# Altium PCB ApolloEcho_Dev_Kit.PcbDoc (part 2 of 2)
Units mm, origin at the board's own origin, x right, y up, seen from the top; angles counter-clockwise.
Board outline 50 x 99.25 mm, 4 copper layers (Top Copper, Plane Layer 1 (Ground), Plane Layer 2 (PWR), Bottom Copper), stack 1.57 mm thick; 69 components, 60 nets, 306 pads, 858 vias.
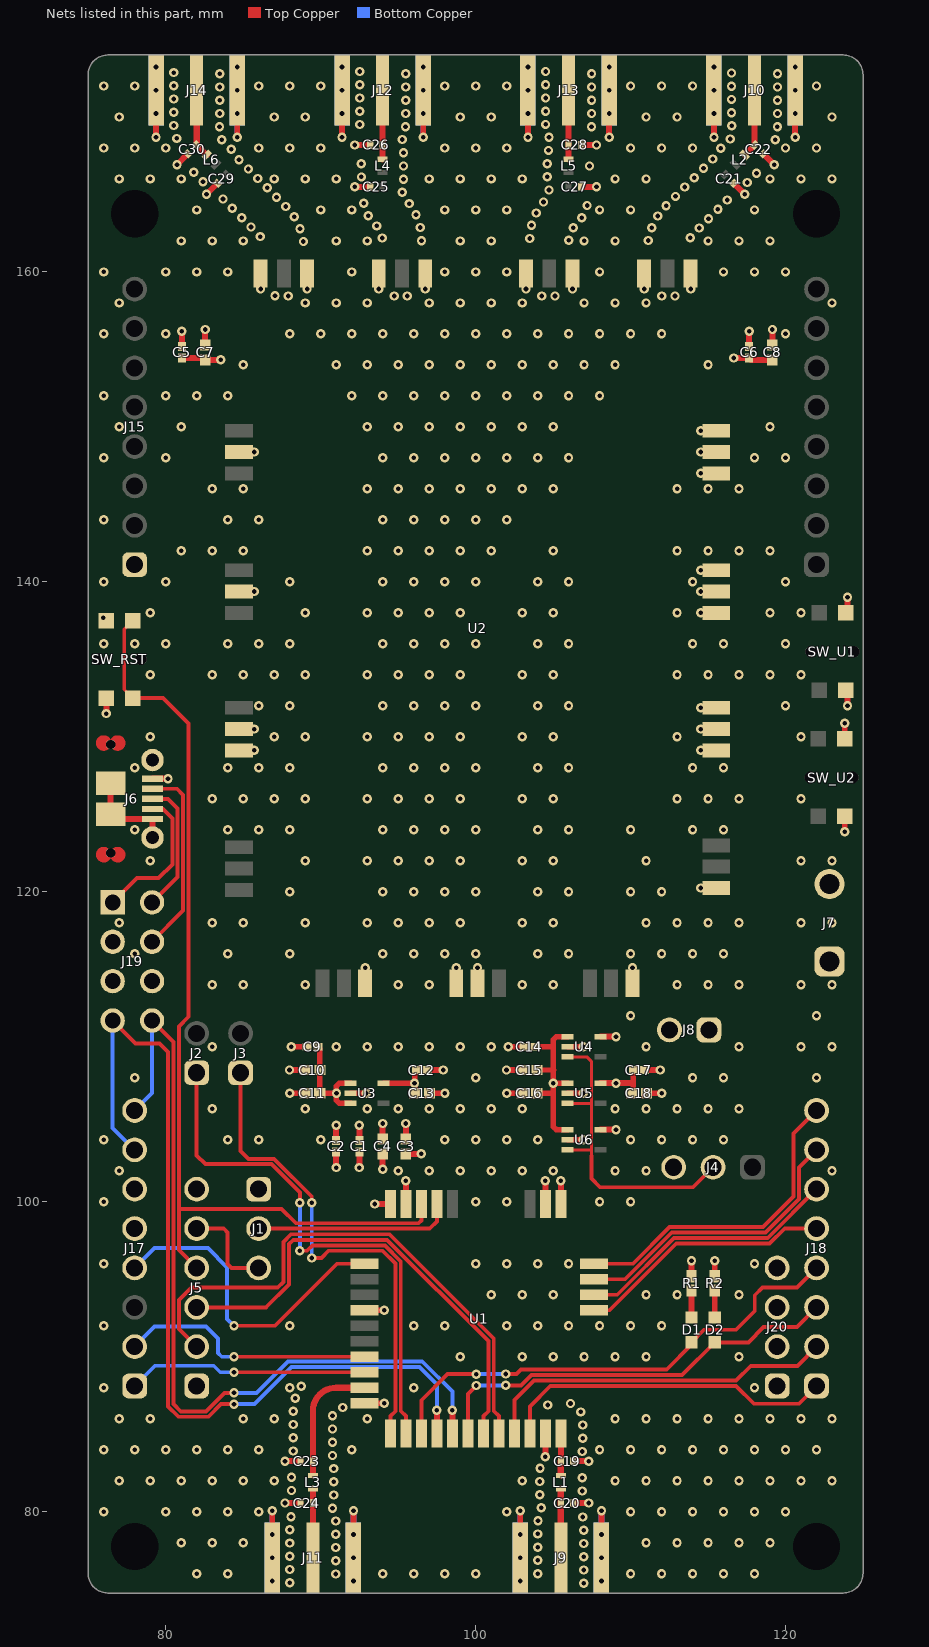
[diagram p4: the nets of this part, all layers, seen from the top]

## Via types
v1: diameter 0.6, hole 0.3, Top Copper to Bottom Copper, tented both sides, 858 vias

## Nets (pads, with @x,y where several pads share a name; then routed paths per layer and width w, separated by ;. In a path a pad name is that pad's centre, name@x,y a point inside that pad or via, vN(x,y) a via of type N, cw(c..) or ccw(c..) an arc to the next point about the centre after c; other vN are vias at no path point) (continued)
GND: C1.2 C2.2 C3.2 C4.2 C5.2 C6.2 C7.2 C8.2 C9.2 C10.2 C11.2 C12.2 C13.2 C14.2 C15.2 C16.2 C17.2 C18.2 C19.2 C20.2 C21.2 C22.2 C23.2 C24.2 C25.2 C26.2 C27.2 C28.2 C29.2 C30.2 J5.1 J6.5 J6.6 J6.7 J6.8 J6.9 J6.10 J6.11 J7.1 J8.2 J9.2 J9.3 J9.4 J9.5 J10.2 J10.3 J10.4 J10.5 J11.2 J11.3 J11.4 J11.5 J12.2 J12.3 J12.4 J12.5 J13.2 J13.3 J13.4 J13.5 J14.2 J14.3 J14.4 J14.5 J19.3 J19.6 J20.1 J20.2 pad.3@122,77.75 pad.4@78,77.75 R1.1 R2.1 SW_RST.B1 SW_RST.B2 SW_U1.B1 SW_U1.B2 SW_U2.B1 SW_U2.B2 U1.11 U1.17 U1.18 U1.23 U1.28 U1.34 U2.P2 U2.P5 U2.P8 U2.P15 U2.P17 U2.P21 U2.P22 U2.P25 U2.P26 U2.P27 U2.P29 U2.P30 U2.P31 U2.P32 U2.P34 U2.P36 U2.P37 U2.P39 U2.P40 U2.P42 U2.P43 U2.P45 U3.2 U4.2 U5.2 U6.2 | length 150.8
  Top Copper w0.381: v1(75.983,137.69) SW_RST.B1@76.175,137.5 ; v1(76.175,131.5) SW_RST.B2@76.175,132.5 ; J6.9@76.45,127 J6.10@76.45,125 76.75,124.7 J6.5@79.15,124.7 J6.7@79.15,123.5 ; v1(79.38,168.682) v1(79.38,171.72) ; v1(80.727,166.917) C30.2@81.434,167.624 ; C5.2@81.047,155.172 v1(81.047,156.173) ; C7.2@82.547,155.285 v1(82.547,156.286) ; v1(82.636,165.008) C29.2@83.344,165.715 ; v1(84.62,168.682) v1(84.62,171.72) ; U2.P8@84.725,130.5 v1(85.725,130.5) ; U2.P5@84.725,139.375 v1(85.725,139.375) ; U2.P2@84.725,148.375 v1(85.725,148.375) ; v1(86.125,158.9) U2.P45@86.125,159.9 ; v1(86.88,77.03) v1(86.88,80.068) ; v1(87.7,80.56) C24.2@88.7,80.56 ; v1(87.7,83.26) C23.2@88.7,83.26 ; v1(87.993,108.5) C10.2@88.993,108.5 ; v1(88.005,107) C11.2@89.005,107 ; v1(88.106,110) C9.2@89.106,110 ; v1(89.125,158.9) U2.P43@89.125,159.9 ; C2.2@91,103.937 v1(91,104.937) ; v1(91.38,168.682) v1(91.38,171.72) ; U3.2@91.938,107 v1(92.939,107) ; v1(92.12,77.03) v1(92.12,80.068) ; v1(92.2,165.49) C25.2@93.2,165.49 ; v1(92.2,168.19) C26.2@93.2,168.19 ; C1.2@92.5,103.937 v1(92.5,104.937) ; U1.34@92.835,87 v1(94.104,87) ; U1.28@92.835,93 v1(94.104,93) ; U2.P15@92.875,114.1 v1(92.875,115.1) ; v1(93.75,158.9) U2.P42@93.75,159.9 ; C4.2@94,104.05 v1(94,105.05) ; U1.23@95.5,99.855 v1(95.5,101.355) ; C3.2@95.5,104.05 v1(95.5,105.05) ; v1(96.62,168.682) v1(96.62,171.72) ; v1(96.75,158.9) U2.P40@96.75,159.9 ; C12.2@96.906,108.5 v1(97.906,108.5) ; C13.2@97.019,107 v1(98.019,107) ; U2.P17@100.125,114.1 v1(100.125,115.1) ; v1(101.993,108.5) C15.2@102.993,108.5 ; v1(102.005,107) C16.2@103.005,107 ; v1(102.106,110) C14.2@103.106,110 ; v1(102.88,77.03) v1(102.88,80.068) ; v1(103.25,158.9) U2.P39@103.25,159.9 ; v1(103.38,168.682) v1(103.38,171.72) ; v1(104.5,83.555) U1.11@104.5,85.055 ; U1.18@104.5,99.855 v1(104.5,101.355) ; U1.17@105.5,99.855 v1(105.5,101.355) ; U6.2@105.938,104 v1(106.939,104) ; U5.2@105.938,107 v1(106.939,107) ; U4.2@105.938,110 v1(106.939,110) ; v1(106.25,158.9) U2.P37@106.25,159.9 ; C20.2@106.3,80.56 v1(107.3,80.56) ; C19.2@106.3,83.26 v1(107.3,83.26) ; C27.2@106.8,165.49 v1(107.8,165.49) ; C28.2@106.8,168.19 v1(107.8,168.19) ; v1(108.12,77.03) v1(108.12,80.068) ; v1(108.62,168.682) v1(108.62,171.72) ; U2.P21@110.125,114.1 v1(110.125,115.1) ; v1(110.875,158.9) U2.P36@110.875,159.9 ; C17.2@110.906,108.5 v1(111.906,108.5) ; C18.2@111.019,107 v1(112.019,107) ; v1(113.875,158.9) U2.P34@113.875,159.9 ; R1.1@113.933,95.194 v1(113.933,96.195) ; v1(114.525,120.25) U2.P22@115.525,120.25 ; v1(114.525,129.125) U2.P25@115.525,129.125 ; v1(114.525,130.5) U2.P26@115.525,130.5 ; v1(114.525,131.875) U2.P27@115.525,131.875 ; v1(114.525,139.375) U2.P29@115.525,139.375 ; v1(114.525,140.75) U2.P30@115.525,140.75 ; v1(114.525,147) U2.P31@115.525,147 ; v1(114.525,148.375) U2.P32@115.525,148.375 ; v1(115.38,168.682) v1(115.38,171.72) ; R2.1@115.433,95.194 v1(115.433,96.195) ; C21.2@116.657,165.715 v1(117.364,165.008) ; C6.2@117.652,155.172 v1(117.652,156.173) ; C22.2@118.566,167.624 v1(119.273,166.917) ; C8.2@119.152,155.285 v1(119.152,156.286) ; v1(120.62,168.682) v1(120.62,171.72) ; v1(123.818,123.872) SW_U2.B1@123.818,124.872 ; SW_U2.B2@123.818,129.872 v1(123.818,130.872) ; v1(124,132) SW_U1.B1@124,133 ; SW_U1.B2@124,138 v1(124,139)
  Bottom Copper w0.381: v1(79.38,168.682) v1(79.38,171.72) ; v1(84.62,168.682) v1(84.62,171.72) ; v1(86.88,77.03) v1(86.88,80.068) ; v1(91.38,168.682) v1(91.38,171.72) ; v1(92.12,77.03) v1(92.12,80.068) ; v1(96.62,168.682) v1(96.62,171.72) ; v1(102.88,77.03) v1(102.88,80.068) ; v1(103.38,168.682) v1(103.38,171.72) ; v1(108.12,77.03) v1(108.12,80.068) ; v1(108.62,168.682) v1(108.62,171.72) ; v1(115.38,168.682) v1(115.38,171.72) ; v1(120.62,168.682) v1(120.62,171.72)
  other v1: 106.984,75.387 88.016,75.413 86.88,75.53 92.12,75.53 102.88,75.53 108.12,75.53 90.984,75.98 82,76 84,76 94,76 96,76 98,76 100,76 104.016,76.004 110,76 112,76 114,76 116,76 118,76 106.984,76.241 88.016,76.267 90.984,76.834 104.016,76.858 106.984,77.095 88.016,77.121 90.984,77.688 104.016,77.712 106.984,77.949 88.016,77.975 81,78 83,78 85,78 111,78 113,78 115,78 117,78 119,78 86.88,78.53 90.984,78.542 92.12,78.53 102.88,78.53 108.12,78.53 104.016,78.566 106.984,78.803 88.016,78.829 90.973,79.396 104.03,79.42 106.919,79.655 88.092,79.679 76,80 80,80 82,80 84,80 86,80 102,80 110,80 112,80 114,80 116,80 118,80 120,80 90.763,80.224 104.237,80.248 90.853,81.073 104.144,81.097 106.884,81.34 88.116,81.366 90.853,81.927 104.143,81.951 77,82 79,82 81,82 83,82 85,82 87,82 103,82 109,82 111,82 113,82 115,82 117,82 119,82 121,82 123,82 106.884,82.194 88.116,82.22 90.848,82.781 104.161,82.805 90.763,83.631 106.874,83.886 88.237,83.92 76,84 78,84 80,84 82,84 84,84 86,84 92,84 108,84 110,84 112,84 114,84 116,84 118,84 120,84 122,84 90.763,84.485 106.909,84.739 88.237,84.774 90.763,85.339 106.909,85.593 88.237,85.628 77,86 79,86 85,86 87,86 93,86 109,86 111,86 113,86 115,86 117,86 119,86 121,86 123,86 90.763,86.193 106.786,86.439 88.235,86.482 91.434,86.721 104.648,86.883 106.124,86.978 88.367,87.325 76,88 88,88 96,88 118,88 88.743,88.092 99,90 103,90 105,90 107,90 109,90 111,90 117,90 76,92 88,92 96,92 98,92 102,92 104,92 106,92 108,92 110,92 112,92 101,94 103,94 105,94 111,94 113,94 117,94 76,96 100,96 102,96 104,96 106,96 118,96 76,100 100,100 102,100 108,100 110,100 77,102 95,102 97,102 99,102 101,102 103,102 105,102 109,102 111,102 123,102 76,104 84,104 86,104 90,104 98,104 100,104 102,104 104,104 110,104 112,104 114,104 116,104 83,106 89,106 93,106 95,106 97,106 99,106 101,106 103,106 109,106 111,106 113,106 115,106 117,106 78,108 100,108 114,108 116,108 122,108 83,110 91,110 93,110 95,110 97,110 99,110 101,110 111,110 117,110 121,110 123,110 110,112 122,112 83,114 85,114 89,114 95,114 97,114 103,114 105,114 113,114 115,114 117,114 121,114 123,114 78,116 84,116 88,116 94,116 96,116 98,116 100,116 104,116 106,116 110,116 112,116 114,116 116,116 77,118 83,118 85,118 89,118 93,118 95,118 97,118 99,118 103,118 105,118 111,118 113,118 115,118 117,118 121,118 123,118 88,120 94,120 96,120 98,120 100,120 104,120 106,120 110,120 112,120 79,122 89,122 93,122 95,122 97,122 99,122 103,122 105,122 111,122 121,122 123,122 78,124 84,124 86,124 88,124 94,124 96,124 98,124 100,124 104,124 106,124 110,124 114,124 116,124 83,126 85,126 87,126 89,126 93,126 95,126 97,126 99,126 103,126 105,126 113,126 115,126 117,126 121,126 78,128 84,128 86,128 88,128 94,128 96,128 98,128 100,128 104,128 106,128 114,128 116,128 79,130 87,130 89,130 93,130 95,130 97,130 99,130 103,130 105,130 113,130 121,130 86,132 88,132 94,132 96,132 98,132 100,132 104,132 106,132 120,132 79,134 83,134 85,134 87,134 89,134 93,134 95,134 97,134 99,134 103,134 105,134 113,134 115,134 117,134 119,134 121,134 76,136 78,136 80,136 84,136 86,136 88,136 94,136 96,136 98,136 100,136 104,136 106,136 114,136 116,136 120,136 79,138 89,138 93,138 95,138 97,138 99,138 103,138 105,138 113,138 119,138 121,138 76,140 80,140 88,140 94,140 96,140 98,140 100,140 104,140 106,140 114,140 120,140 81,142 83,142 85,142 93,142 95,142 97,142 99,142 101,142 105,142 113,142 115,142 117,142 119,142 76,144 84,144 86,144 94,144 96,144 98,144 100,144 102,144 83,146 85,146 93,146 95,146 97,146 99,146 101,146 103,146 105,146 113,146 115,146 117,146 76,148 80,148 94,148 96,148 98,148 100,148 102,148 104,148 106,148 118,148 120,148 77,150 81,150 93,150 95,150 97,150 99,150 101,150 103,150 105,150 119,150 76,152 80,152 82,152 84,152 92,152 94,152 96,152 98,152 100,152 102,152 104,152 106,152 108,152 85,154 91,154 93,154 95,154 97,154 99,154 101,154 103,154 105,154 107,154 109,154 115,154 76,156 80,156 88,156 90,156 92,156 94,156 96,156 98,156 100,156 102,156 104,156 106,156 108,156 110,156 112,156 120,156 77,158 89,158 91,158 93,158 97,158 99,158 101,158 103,158 107,158 109,158 111,158 123,158 87.058,158.456 87.912,158.441 94.741,158.449 95.595,158.441 104.271,158.445 105.125,158.441 112.014,158.441 112.868,158.447 76,160 80,160 82,160 84,160 92,160 98,160 100,160 102,160 108,160 116,160 118,160 120,160 88.889,161.964 81,162 83,162 85,162 91,162 93,162 99,162 101,162 107,162 109,162 115,162 117,162 119,162 96.513,162.019 111.144,162.023 106.013,162.047 103.486,162.156 93.973,162.192 113.847,162.205 86.097,162.278 88.669,162.789 111.357,162.85 114.428,162.831 96.426,162.868 106.291,162.855 85.508,162.896 93.616,162.968 103.606,163.001 115.032,163.435 84.904,163.5 106.849,163.501 88.29,163.554 111.745,163.611 93.074,163.628 96.157,163.679 103.906,163.801 82,164 90,164 92,164 98,164 100,164 102,164 108,164 110,164 118,164 115.635,164.039 84.3,164.104 87.756,164.221 112.291,164.267 107.193,164.283 95.712,164.408 92.777,164.429 104.378,164.513 116.239,164.643 83.696,164.708 87.152,164.824 112.895,164.871 95.263,165.134 104.737,165.287 86.548,165.428 113.499,165.475 117.518,165.77 82.41,165.825 77,166 79,166 81,166 87,166 89,166 91,166 95.35,165.984 97,166 99,166 101,166 103,166 109,166 111,166 119,166 121,166 123,166 85.944,166.032 114.103,166.079 92.631,166.129 104.63,166.135 118.123,166.373 81.806,166.428 85.34,166.636 114.707,166.683 95.351,166.838 107.351,166.838 92.63,166.983 104.629,166.989 84.736,167.24 115.311,167.287 95.351,167.692 104.704,167.839 84.224,167.923 115.823,167.97 76,168 78,168 80,168 86,168 88,168 90,168 98,168 100,168 102,168 110,168 112,168 114,168 120,168 122,168 83.62,168.527 95.263,168.541 119.33,168.527 116.427,168.574 80.706,168.614 104.737,168.693 83.475,169.369 95.475,169.369 107.475,169.369 119.475,169.369 116.518,169.423 80.516,169.446 92.516,169.512 104.516,169.518 77,170 87,170 89,170 99,170 101,170 111,170 113,170 123,170 79.38,170.22 83.484,170.222 84.62,170.22 91.38,170.22 95.484,170.222 96.62,170.22 103.38,170.22 107.484,170.222 108.62,170.22 115.38,170.22 119.484,170.222 120.62,170.22 116.516,170.277 80.516,170.3 92.516,170.366 104.516,170.372 83.484,171.076 95.484,171.076 107.484,171.076 119.484,171.076 116.516,171.131 80.516,171.154 92.516,171.22 104.516,171.226 83.484,171.93 95.484,171.93 107.484,171.93 119.484,171.93 116.516,171.985 76,172 78,172 80.516,172.008 86,172 88,172 90,172 98,172 100,172 102,172 110,172 112,172 114,172 122,172 92.516,172.074 104.516,172.08 83.484,172.784 95.484,172.784 107.484,172.784 119.484,172.784 116.516,172.839 80.516,172.862 92.516,172.928 104.516,172.934 79.38,173.22 84.62,173.22 91.38,173.22 96.62,173.22 103.38,173.22 108.62,173.22 115.38,173.22 120.62,173.22
LDO_EM_PWR_EN: J4.2 U4.3 U5.3 U6.3 | length 20.9
  Top Copper w0.203: U6.3@105.938,103.35 107.473,103.35 ; U5.3@105.938,106.35 107.473,106.35 ; U4.3@105.938,109.35 107.183,109.35 107.473,109.06 107.473,106.35 ; 107.473,102.942 107.473,103.35 ; 107.473,103.35 107.473,106.35
  Top Copper w0.254: 107.473,102.942 107.473,101.488 108.025,100.936 114.034,100.936 J4.2@115.323,102.225
LED_USER_1_G: D1.2 J18.4 U1.3 | length 31.9
  Top Copper w0.254: U1.3@96.5,85.055 96.5,87.193 98.18,88.872 v1(100.049,88.872) ; v1(101.942,88.881) 102.636,88.881 102.935,89.18 112.335,89.18 113.933,90.778 D1.2@113.933,90.929 114.745,91.741 116.813,91.741 118.012,92.94 118.012,93.965 118.506,94.459 120.729,94.459 J18.4@122,95.73
  Bottom Copper w0.254: v1(100.049,88.872) 101.934,88.872 v1(101.942,88.881)
LED_USER_2_R: D2.2 J18.3 U1.6 | length 27.4
  Top Copper w0.254: U1.6@99.5,85.055 99.5,87.596 v1(100.049,88.145) ; v1(101.942,88.154) 102.937,88.154 103.609,88.826 113.33,88.826 D2.2@115.433,90.929 117.595,90.929 118.581,91.915 120.725,91.915 J18.3@122,93.19
  Bottom Copper w0.254: v1(100.049,88.145) 100.058,88.154 v1(101.942,88.154)
NetC20_1: C20.1 J9.1 L1.2 | length 4.5
  Top Copper w0.4: J9.1@105.5,77.03 L1.2@105.5,81.485
NetC22_1: C22.1 J10.1 L2.2 | length 4.5
  Top Copper w0.4: L2.2@117.346,167.536 C22.1@118,168.19 J10.1@118,171.72
NetC24_1: C24.1 J11.1 L3.2 | length 4.5
  Top Copper w0.4: J11.1@89.5,77.03 C24.1@89.5,80.56 L3.2@89.5,81.485
NetC26_1: C26.1 J12.1 L4.2 | length 4.5
  Top Copper w0.4: L4.2@94,167.265 C26.1@94,168.19 J12.1@94,171.72
NetC28_1: C28.1 J13.1 L5.2 | length 4.5
  Top Copper w0.4: L5.2@106,167.265 C28.1@106,168.19 J13.1@106,171.72
NetC30_1: C30.1 J14.1 L6.2 | length 4.5
  Top Copper w0.4: J14.1@82,171.72 C30.1@82,168.19 L6.2@82.654,167.536
NetD1_1: D1.1 R1.2 | length 1.7
  Top Copper w0.381: D1.1@113.933,92.529 R1.2@113.933,94.263
NetD2_1: D2.1 R2.2 | length 1.7
  Top Copper w0.381: D2.1@115.433,92.529 R2.2@115.433,94.263
NetJ1_2: J1.2 U1.21 | length 12.8
  Top Copper w0.254: J1.2@86,98.27 97.042,98.27 97.5,98.728 U1.21@97.5,99.855
RAK_BLE_RF_OUT: C23.1 L3.1 U1.33 | length 8.4
  Top Copper w0.4: L3.1@89.5,82.335 C23.1@89.5,83.26 89.5,86.5 cw(c91,86.5) 91,88 U1.33@92.835,88
RAK_I2C_SCL: J18.2 U1.9 | length 23.1
  Top Copper w0.254: U1.9@102.5,85.055 102.5,87.208 103.764,88.472 116.813,88.472 117.754,89.414 120.764,89.414 J18.2@122,90.65
RAK_I2C_SDA: J18.1 U1.10 | length 21.7
  Top Copper w0.254: U1.10@103.5,85.055 103.5,86.794 104.816,88.11 116.813,88.11 117.957,86.966 120.856,86.966 J18.1@122,88.11
RAK_PA2: J2.1 U1.2 | length 35.1
  Top Copper w0.254: J2.1@82,108.324 82,102.995 82.567,102.428 86.828,102.428 88.657,100.599 v1(88.657,99.928) ; v1(88.657,96.837) 89.123,96.837 89.47,97.183 94.145,97.183 95.17,96.158 95.17,86.491 95.5,86.162 U1.2@95.5,85.055
  Bottom Copper w0.254: v1(88.657,96.837) v1(88.657,99.928)
RAK_PA3: J3.1 U1.1 | length 31.8
  Top Copper w0.254: J3.1@84.833,108.324 84.833,103.284 85.346,102.772 86.99,102.772 89.428,100.333 v1(89.428,99.928) ; v1(89.428,96.372) 90.043,96.372 90.51,96.839 93.996,96.839 94.821,96.013 94.821,86.483 94.5,86.162 U1.1@94.5,85.055
  Bottom Copper w0.254: v1(89.428,96.372) v1(89.428,99.928)
RAK_PA4: J18.8 U1.16 | length 20.8
  Top Copper w0.254: U1.16@107.635,96 110.159,96 112.523,98.363 118.531,98.363 120.511,100.343 120.511,104.401 J18.8@122,105.89
RAK_PA5: J18.7 U1.15 | length 19
  Top Copper w0.254: U1.15@107.635,95 109.649,95 112.655,98.006 118.694,98.006 120.867,100.179 120.867,102.217 J18.7@122,103.35
RAK_PA6: J18.6 U1.14 | length 17.2
  Top Copper w0.254: U1.14@107.635,94 109.139,94 112.798,97.659 118.849,97.659 J18.6@122,100.81
RAK_PA7: J18.5 U1.13 | length 16.5
  Top Copper w0.254: U1.13@107.635,93 108.649,93 112.945,97.296 118.974,97.296 119.948,98.27 J18.5@122,98.27
RAK_PA10: J17.4 U1.25 | length 21
  Top Copper w0.254: v1(84.406,92) 87.053,92 91.053,96 U1.25@92.835,96
  Bottom Copper w0.254: J17.4@78,95.73 79.279,97.009 82.725,97.009 83.971,95.763 83.971,92.435 v1(84.406,92)
RAK_PB3: J17.1 U1.32 | length 15.6
  Top Copper w0.254: v1(84.406,89) U1.32@92.835,89
  Bottom Copper w0.254: J17.1@78,88.11 79.309,89.419 83.104,89.419 83.524,89 v1(84.406,89)
RAK_PB4: J17.2 U1.31 | length 16.7
  Top Copper w0.254: v1(84.406,90) U1.31@92.835,90
  Bottom Copper w0.254: J17.2@78,90.65 79.287,91.937 82.61,91.937 83.378,91.169 83.378,90.243 83.621,90 v1(84.406,90)
RAK_PB6: J17.7 J19.7 U1.4 | length 58.8
  Top Copper w0.254: J19.7@76.581,111.695 78.056,110.22 79.604,110.22 80.153,109.671 80.153,86.8 80.827,86.127 82.759,86.127 83.571,86.939 v1(84.406,86.939)
  Top Copper w0.381: U1.4@97.5,85.055 v1(97.5,86.555)
  Bottom Copper w0.254: J19.7@76.581,111.695 76.581,104.769 J17.7@78,103.35 ; v1(84.406,86.939) 85.72,86.939 88.13,89.348 96.368,89.348 97.5,88.216 v1(97.5,86.555)
RAK_PB7: J17.8 J19.8 U1.5 | length 54.6
  Top Copper w0.254: J19.8@79.121,111.695 80.5,110.316 80.5,86.944 80.972,86.472 82.602,86.472 83.796,87.666 v1(84.406,87.666)
  Top Copper w0.381: U1.5@98.5,85.055 v1(98.5,86.555)
  Bottom Copper w0.254: J17.8@78,105.89 79.121,107.011 J19.8@79.121,111.695 ; v1(84.406,87.666) 85.87,87.666 87.904,89.699 96.559,89.699 98.5,87.758 v1(98.5,86.555)
RAK_RESET: J5.4 SW_RST.A1 SW_RST.A2 U1.22 | length 62.8
  Top Copper w0.203: SW_RST.A2@77.875,132.5 77.325,133.05 77.325,136.95 SW_RST.A1@77.875,137.5
  Top Copper w0.254: SW_RST.A2@77.875,132.5 79.837,132.5 81.471,130.866 81.471,111.937 80.854,111.321 80.854,99.54 ; J5.4@82,95.73 80.854,96.876 80.854,99.54 ; U1.22@96.5,99.855 96.5,98.791 96.322,98.614 88.411,98.614 87.485,99.54 80.854,99.54
RAK_RF_OUT: C19.1 L1.1 U1.12 | length 2.7
  Top Copper w0.4: L1.1@105.5,82.335 C19.1@105.5,83.26 U1.12@105.5,85.055
RAK_SWD_SWDCK: J5.2 U1.8 | length 36.1
  Top Copper w0.254: J5.2@82,90.65 80.869,91.781 80.869,93.664 81.665,94.46 87.233,94.46 87.592,94.819 87.592,97.41 88.085,97.902 94.441,97.902 101.17,91.174 101.17,86.491 101.5,86.162 U1.8@101.5,85.055
RAK_SWD_SWDIO: J5.3 U1.7 | length 30.9
  Top Copper w0.254: J5.3@82,93.19 86.473,93.19 87.953,94.67 87.953,97.261 88.234,97.542 94.292,97.542 100.821,91.013 100.821,86.483 100.5,86.162 U1.7@100.5,85.055
RAK_SWD_SWO: J1.3 J5.5 | length 6.2
  Top Copper w0.254: J5.5@82,98.27 83.75,98.27 84,98.02 84,95.98 84.25,95.73 J1.3@86,95.73
USB_D+: J6.3 J19.2 | length 8.6
  Top Copper w0.254: J19.2@79.121,119.315 80.774,120.968 80.774,125.385 80.159,126 J6.3@79.15,126
USB_D-: J6.2 J19.4 | length 12.4
  Top Copper w0.254: J19.4@79.121,116.775 81.128,118.782 81.128,126.241 80.719,126.65 J6.2@79.15,126.65
USB_ID: J6.4 J19.1 | length 9.4
  Top Copper w0.254: J19.1@76.581,119.315 78.149,120.883 79.548,120.883 80.43,121.765 80.43,124.74 79.82,125.35 J6.4@79.15,125.35
V_IN: C9.1 C10.1 C11.1 C14.1 C15.1 C16.1 J4.3 J6.1 J7.2 J8.1 J19.5 J20.3 J20.4 U3.1 U3.3 U4.1 U5.1 U6.1 | length 19.9
  Top Copper w0.35: C9.1@89.838,110 89.951,109.887 C10.1@89.951,108.5 89.939,108.488 C11.1@89.939,107 v1(91.019,107) ; U3.3@91.938,106.35 91.207,106.35 91.019,106.538 v1(91.019,107) ; U3.1@91.938,107.65 91.207,107.65 91.019,107.462 v1(91.019,107) ; C14.1@103.838,110 105.019,110 ; C16.1@103.939,107 105.019,107 ; C15.1@103.951,108.5 105.019,108.5 ; v1(105.019,107.65) U5.1@105.938,107.65 ; 105.031,108.5 105.019,108.5 ; U6.1@105.938,104.65 105.207,104.65 105.019,104.838 105.019,107 ; U4.1@105.938,110.65 105.207,110.65 105.019,110.462 105.019,108.5 ; 105.019,107 105.019,108.5
  Top Copper w0.381: J6.1@79.15,127.3 v1(80.15,127.3)
VCC_EM2050: C5.1 C6.1 C7.1 C8.1 C17.1 C18.1 J15.1 U2.P9 U2.P16 U2.P28 U2.P33 U4.5 U5.5 U6.5 | length 14.6
  Top Copper w0.381: C5.1@81.047,154.441 82.434,154.441 C7.1@82.547,154.328 v1(83.548,154.328) ; U2.P9@84.725,129.125 v1(85.725,129.125) ; U2.P16@98.75,114.1 v1(98.75,115.1) ; U6.5@108.062,104.65 v1(109.062,104.65) ; U5.5@108.062,107.65 v1(109.062,107.65) 110.174,107.65 ; U4.5@108.062,110.65 v1(109.062,110.65) ; C18.1@110.061,107 110.174,107.113 C17.1@110.174,108.5 ; v1(114.525,138) U2.P28@115.525,138 ; v1(114.525,149.75) U2.P33@115.525,149.75 ; v1(116.652,154.441) C6.1@117.652,154.441 ; C6.1@117.765,154.328 C8.1@119.152,154.328
VCC_RAK: C1.1 C2.1 C3.1 C4.1 C12.1 C13.1 J1.1 J5.6 J17.5 J17.6 U1.24 U3.5 | length 8.5
  Top Copper w0.35: U3.5@94.062,107.65 v1(96.061,107.65) ; C13.1@96.061,107 96.061,108.387 C12.1@96.174,108.5
  Top Copper w0.381: v1(91,102.205) C2.1@91,103.205 ; v1(92.5,102.205) C1.1@92.5,103.205 ; v1(93.5,99.855) U1.24@94.5,99.855 ; v1(94,102.092) C4.1@94,103.092 ; C3.1@95.5,103.092 v1(96.5,103.092)
pads on no net: SW_RST.MH1 SW_RST.MH2 SW_U1.MH1 SW_U1.MH2 SW_U2.MH1 SW_U2.MH2 U3.4 U4.4 U5.4 U6.4

## Polygon pours and split planes (outlines as drawn)
GND on Bottom Copper "GND_L04_P001" (solid, pour order 1): 75,76.02 ccw(c76.27,76.02) 76.27,74.75 123.73,74.75 ccw(c123.73,76.02) 125,76.02 125,172.73 ccw(c123.73,172.73) 123.73,174 76.27,174 ccw(c76.27,172.73) 75,172.73
GND on Top Copper "GND_L01_P000" (solid, pour order 0): 75,76.02 75,172.73 cw(c76.27,172.73) 76.27,174 123.73,174 cw(c123.73,172.73) 125,172.73 125,76.02 cw(c123.73,76.02) 123.73,74.75 76.27,74.75 cw(c76.27,76.02)
V_IN on Plane Layer 2 (PWR) (split plane): 123.849,173.482 123.965,173.455 124.076,173.409 124.178,173.346 124.269,173.269 124.346,173.178 124.409,173.076 124.455,172.965 124.482,172.849 124.491,172.743 124.49,172.73 124.49,76.02 124.491,76.007 124.482,75.901 124.455,75.785 124.409,75.674 124.346,75.572 124.269,75.481 124.178,75.404 124.076,75.341 123.965,75.295 123.849,75.268 123.743,75.259 123.73,75.26 76.27,75.26 76.257,75.259 76.151,75.268 76.035,75.295 75.924,75.341 75.822,75.404 75.731,75.481 75.654,75.572 75.591,75.674 75.545,75.785 75.518,75.901 75.509,76.007 75.51,76.02 75.51,86.411 84.707,86.411 84.756,86.42 84.798,86.448 84.826,86.49 84.836,86.54 84.836,98.712 97.906,98.712 97.956,98.722 97.998,98.75 98.026,98.792 98.035,98.841 98.035,108.5 98.035,109.293 98.026,109.342 97.998,109.384 97.956,109.412 97.906,109.422 93.209,109.422 93.159,109.412 93.117,109.384 93.089,109.342 93.079,109.293 93.079,103.335 89.481,103.335 89.478,103.334 75.51,103.334 75.51,137.849 82.705,137.849 82.705,128.244 82.715,128.195 82.743,128.153 82.785,128.125 82.835,128.115 96.074,128.115 96.074,111.934 96.083,111.885 96.111,111.843 96.153,111.814 96.203,111.805 107.661,111.805 107.661,102.563 107.671,102.513 107.699,102.471 107.741,102.443 107.791,102.433 110.772,102.433 110.822,102.443 110.864,102.471 110.892,102.513 110.902,102.563 110.902,136.878 119.134,136.878 119.184,136.888 119.226,136.916 119.254,136.958 119.264,137.007 119.264,148.473 122.08,148.473 122.13,148.483 122.172,148.511 122.2,148.553 122.21,148.602 122.21,155.587 122.2,155.636 122.172,155.678 122.13,155.707 122.08,155.716 75.51,155.716 75.51,172.73 75.509,172.743 75.518,172.849 75.545,172.965 75.591,173.076 75.654,173.178 75.731,173.269 75.822,173.346 75.924,173.409 76.035,173.455 76.151,173.482 76.257,173.491 76.27,173.49 123.73,173.49 123.743,173.491
VCC_RAK on Plane Layer 2 (PWR) (split plane): 97.777,108.5 97.777,98.971 84.707,98.971 84.657,98.961 84.615,98.933 84.587,98.891 84.577,98.841 84.577,86.669 75.51,86.669 75.51,103.076 89.481,103.076 89.483,103.076 93.209,103.076 93.258,103.086 93.3,103.114 93.329,103.156 93.338,103.205 93.338,109.163 97.777,109.163
VCC_EM2050 on Plane Layer 2 (PWR) (split plane): 121.951,148.732 119.134,148.732 119.085,148.722 119.043,148.694 119.015,148.652 119.005,148.602 119.005,137.137 110.772,137.137 110.723,137.127 110.681,137.099 110.653,137.057 110.643,137.007 110.643,102.692 107.92,102.692 107.92,111.934 107.91,111.984 107.882,112.026 107.84,112.054 107.791,112.064 96.333,112.064 96.333,128.244 96.323,128.294 96.295,128.336 96.253,128.364 96.203,128.374 82.964,128.374 82.964,137.979 82.954,138.028 82.926,138.07 82.884,138.098 82.835,138.108 75.51,138.108 75.51,155.457 121.951,155.457
GND on Plane Layer 1 (Ground) (split plane): 123.849,173.482 123.965,173.455 124.076,173.409 124.178,173.346 124.269,173.269 124.346,173.178 124.409,173.076 124.455,172.965 124.482,172.849 124.491,172.743 124.49,172.73 124.49,76.02 124.491,76.007 124.482,75.901 124.455,75.785 124.409,75.674 124.346,75.572 124.269,75.481 124.178,75.404 124.076,75.341 123.965,75.295 123.849,75.268 123.743,75.259 123.73,75.26 76.27,75.26 76.257,75.259 76.151,75.268 76.035,75.295 75.924,75.341 75.822,75.404 75.731,75.481 75.654,75.572 75.591,75.674 75.545,75.785 75.518,75.901 75.509,76.007 75.51,76.02 75.51,172.73 75.509,172.743 75.518,172.849 75.545,172.965 75.591,173.076 75.654,173.178 75.731,173.269 75.822,173.346 75.924,173.409 76.035,173.455 76.151,173.482 76.257,173.491 76.27,173.49 123.73,173.49 123.743,173.491

## Keep-outs
Keep-Out Layer:
  the board outline again, w0.025

## Other copper
Plane Layer 2 (PWR) (plane layer: these items are gaps in the copper):
  lines w0.254: 75,86.54 75,103.205 89.481,103.205 93.209,103.205 93.209,109.293 97.906,109.293 97.906,108.5 97.906,98.841 84.707,98.841 84.707,86.54 75,86.54 ; 75,137.979 82.835,137.979 82.835,128.244 96.203,128.244 96.203,111.934 107.791,111.934 107.791,102.563 110.772,102.563 110.772,137.007 119.134,137.007 119.134,148.602 122.08,148.602 122.08,155.587 116.128,155.587 75,155.587 75,137.979

## Silkscreen, mask and mechanical layers (free items; w line width, h text height)
Bottom Overlay:
  drawing of 108 lines, arcs and shapes, not listed
  text "LoRa" at 84.501,167.234 h2.5
  text "SBAND RX" at 99.573,167.225 h2.5
  text "GPS" at 108.047,167.225 h2.5
  text "SBAND TX" at 123.513,167.225 h2.5
  text "EM_P14" at 94,158.043 h1.5
  text "EM_CTS*" at 121,158.043 h1.5
  text "EM_P13" at 94,155.503 h1.5
  text "EM_RTS*" at 121,155.503 h1.5
  text "* = Connected to other pins or components. Refer to the SCHEMATIC before use." at 110.187,155.432 h2
  text "EM_LNA_GPS_ON" at 94,152.963 h1.5
  text "EM_SDA" at 121,152.963 h1.5
  text "EM_2G_CE" at 94,150.423 h1.5
  text "EM_SCL" at 121,150.423 h1.5
  text "J17" at 96.573,148.365 h1.5
  text "J5" at 103.573,148.365 h1.5
  text "J18" at 110.573,148.365 h1.5
  text "EM_SW_ON" at 94,147.883 h1.5
  text "EM_P18" at 121,147.883 h1.5
  text "PB7" at 100.573,146.018 h1.5
  text "SS" at 114.573,146.018 h1.5
  text "EM_PH3" at 94,145.343 h1.5
  text "EM_PWR_EN*" at 121,145.343 h1.5
  text "PB6" at 100.573,143.478 h1.5
  text "SCK" at 114.573,143.478 h1.5
  text "EM_P12" at 94,142.803 h1.5
  text "PB2*" at 121,142.754 h1.5
  text "VCC_RAK" at 100.573,140.938 h1.5
  text "VCC_RAK" at 107.573,140.938 h1.5
  text "MISO" at 114.573,140.938 h1.5
  text "VCC_EM2050" at 94,140.263 h1.5
  text "PA9*" at 121,140.214 h1.5
  text "VCC_RAK" at 100.573,138.398 h1.5
  text "SWO" at 107.573,138.398 h1.5
  text "MOSI" at 114.573,138.398 h1.5
  text "PA10" at 100.573,135.858 h1.5
  text "RESET" at 107.573,135.858 h1.5
  text "PA15*" at 114.573,135.858 h1.5
  text "PB5*" at 100.573,133.318 h1.5
  text "SWDIO" at 107.573,133.318 h1.5
  text "PA1*" at 114.573,133.318 h1.5
  text "PB4" at 100.573,130.778 h1.5
  text "SWDCK" at 107.573,130.778 h1.5
  text "SCL" at 114.573,130.778 h1.5
  text "PB3" at 100.573,128.238 h1.5
  text "GND" at 107.573,128.238 h1.5
  text "SDA" at 114.573,128.238 h1.5
  text "EM_RX" at 82.847,126.864 h1.5 r90
  text "EM_TX" at 85.68,126.864 h1.5 r90
  text "IN+" at 121.082,119.728 h2.5
  text "POWER IN" at 121.082,117.225 h2.5
  text "USB Serial Daughter Board" at 105.06,116.635 h2.5
  text "IN-" at 121.082,114.728 h2.5
  text "IN-" at 110.761,110.316 h2.5
  text "IN+" at 120.168,110.316 h2.5
  text "RAK_TX" at 82.896,107.324 h1.5 r90
  text "RAK_RX" at 85.729,107.324 h1.5 r90
  text "EM PWR drived by PA8" at 110.468,104.548 h1.5
  text "RAK Boot - VCC" at 99.427,103.044 h1.5
  text "EM Always ON" at 110.468,99.109 h1.5
  text "V_IN" at 118.46,94.834 h1.5
  text "V_IN" at 118.46,92.294 h1.5
  text "GND" at 118.46,89.754 h1.5
  text "SWO to header" at 96.181,88.493 h1.5
  text "GND" at 118.46,87.214 h1.5
  text "J17" at 79.078,85.7 h1.5
  text "J5" at 82.686,85.701 h1.5
  text "J18" at 123.079,85.689 h1.5
  text "BLE" at 91.423,80.229 h2.5
  text "LoRa" at 108.001,80.234 h2.5
  text "JLCJLCJLCJLC" at 118.955,76.548 h1.5
Bottom Mask:
  drawing of 102 lines, arcs and shapes, not listed
  text "rev. 100 | dec 05 24" at 101.99,85.125 h0.75 r90
  text "ApolloEcho_Dev_Kit" at 92.926,78.91 h0.75 r270
  text "Github" at 98.497,77.626 h0.75
Mechanical 1:
  lines w0.025: 75,76.02 ccw(c76.27,76.02) 76.27,74.75 105.075,74.75 123.73,74.75 ccw(c123.73,76.02) 125,76.02 125,172.73 ccw(c123.73,172.73) 123.73,174 76.27,174 ccw(c76.27,172.73) 75,172.73 75,76.02

## Text inside footprints (layer, text, board x,y; h text height)
J6: Mechanical 1 "PCB EDGE" at 74.9,133.2 h0.3 r270
U2: Top Assembly "P45" at 85.408,157.9 h1.5 r90; Top Assembly "P1" at 84.825,150.6 h1.5
U3: Top 3D Body "*" at 92.263,106.781 h1.27; Top Overlay "*" at 91.367,107.873 h1.27
U4: Top 3D Body "*" at 106.263,109.781 h1.27; Top Overlay "*" at 105.367,110.873 h1.27
U5: Top 3D Body "*" at 106.263,106.781 h1.27; Top Overlay "*" at 105.367,107.873 h1.27
U6: Top 3D Body "*" at 106.263,103.781 h1.27; Top Overlay "*" at 105.367,104.873 h1.27